# KiCad board PCB0160.kicad_pcb (continued)
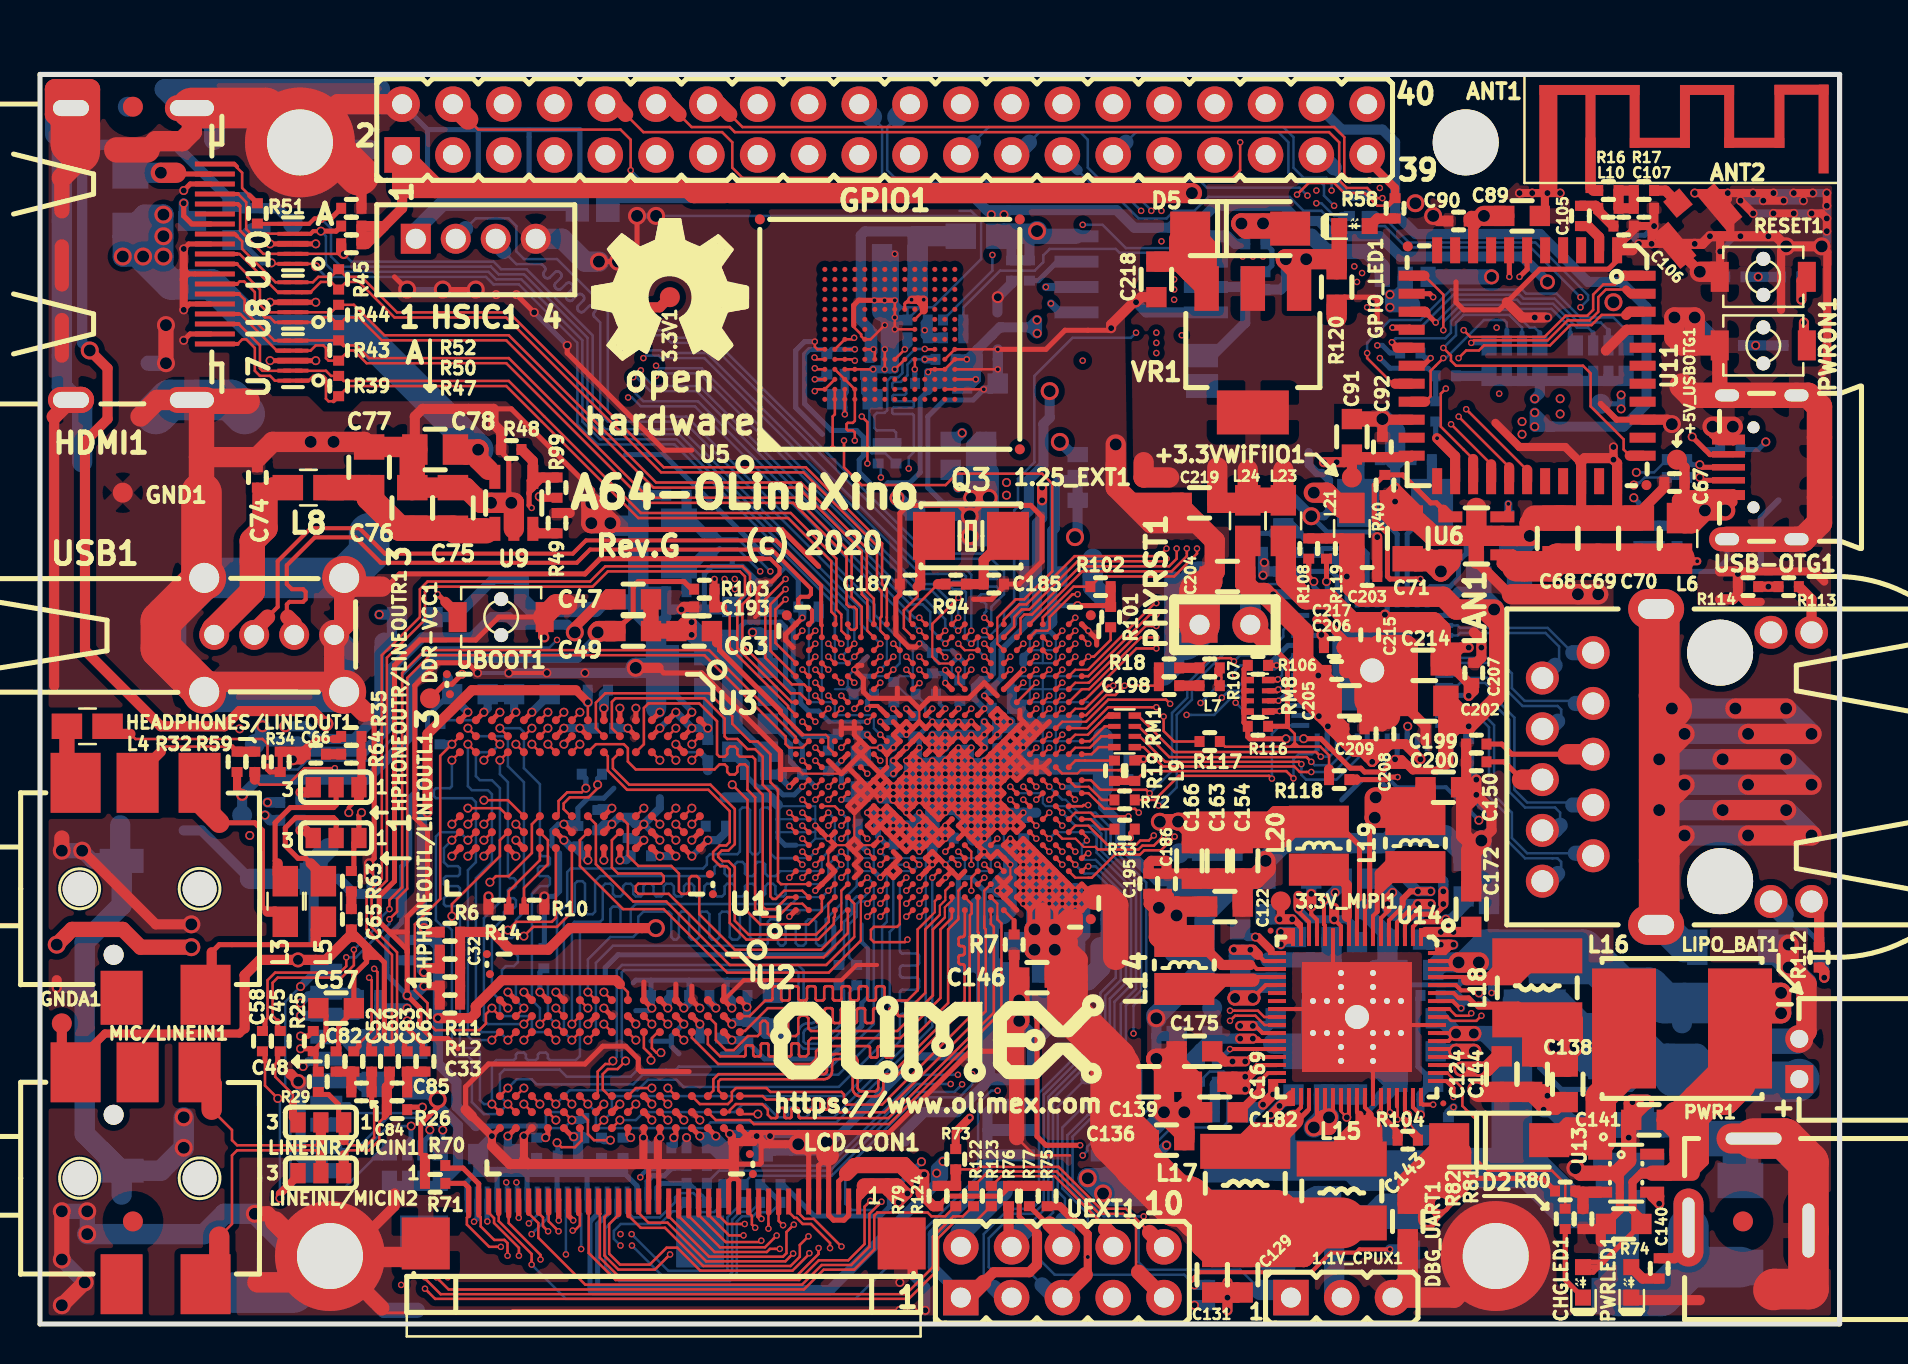
[diagram p0: board, top side]
## Routing (per net, layer and track width the routed paths; a pad name or vN(x,y) marks a point on that pad's centre or on a via; arc(x,y) is an arc through that point) (continued)
  Top w1.016: v2(6.05,57.58) 6.81,57.58
  Bottom w1.016: v2(6.05,57.58) 4.52,57.58 FUSE1.2
Net-(GPIO_LED1-Pad2): length 1.4
  Top w0.508: R58.2 66.88,55.3 GPIO_LED1.2
Net-(HDMI1-Pad19): length 3.6
  Top w0.127: 10.49,56.44 10.11,56.82 10.11,57.58 9.86,57.84 9.86,57.89
  Top w0.203: 9.86,57.89 9.72,58.02 8.55,58.02
  Top w0.254: 10.49,56.44 R51.2
Net-(HEADPHONES/LINEOUT1-Pad1): length 9.2
  Top w0.254: 8.58,18.59 8.97,18.97 13.67,18.97 13.79,19.1
  Top w0.508: 13.79,19.23 13.79,19.1 13.79,19.74 L5.2 ; 8.58,18.59 8.58,16.77 HEADPHONES/LINEOUT1.1 ; 8.28,16.21 8.28,16.46
Net-(HEADPHONES/LINEOUT1-Pad2): length 3.5
  Top w0.508: 1.78,26.81 1.78,26.29
  Top w0.762: L4.2 1.35,27.5 HEADPHONES/LINEOUT1.2
Net-(HEADPHONES/LINEOUT1-Pad3): length 9.9
  Top w0.254: 11.38,20.62 11.12,20.88 11.12,24.69 10.74,25.07 8.97,25.07
  Top w0.508: 11.38,20.62 11.76,20.62 L3.2 12.14,20.12 ; 7.98,26.81 7.98,26.06
  Top w1.016: 7.98,26.06 8.97,25.07
Net-(HEADPHONES/LINEOUT1-Pad4): length 7.6
  Top w0.127: 9.6,28.88 6.3,28.88 6.05,28.63
  Top w0.254: R32.1 9.6,28.88
  Top w0.508: 4.88,27.46 6.05,28.63 ; R32.1 R59.1
  Top w0.762: HEADPHONES/LINEOUT1.4 4.88,27.46
  Top w1.016: 4.88,26.81 4.88,27.46
Net-(HPHONEOUTL/LINEOUTL1-Pad2): length 7.7
  Top w0.203: L5.1 14.43,22.4
  Top w0.254: 13.54,23.04 13.28,23.29 12.9,23.29 12.27,23.93 12.27,24.82 12.78,25.32 14.68,25.32 14.81,25.2 HPHONEOUTL/LINEOUTL1.2
  Top w0.508: 13.54,23.04 14.17,22.4 L5.1
Net-(HPHONEOUTR/LINEOUTR1-Pad2): length 7.7
  Top w0.203: L3.1 12.27,22.4
  Top w0.254: 11.89,23.04 11.76,23.17 11.76,25.07 12.52,25.83 14.68,25.83 14.81,25.96 HPHONEOUTR/LINEOUTR1.2
  Top w0.508: 11.89,23.04 11.89,22.53 L3.1
Net-(HSIC1-Pad1): length 9.1
  Bottom w0.762: HSIC1.1 18.79,54.71 20.14,56.06 26.75,56.06 HSIC_E1.2
Net-(HSIC1-Pad2): length 37.5
  Top w0.127: v4(42.68,32.72) U1.H19
  Bottom w0.107: 43,34.22 43,34.11 43,33.05
  Bottom w0.127: 43,34.22 41.73,35.48 41.73,35.99 32.33,45.39 28.65,45.39 28.4,45.64 28.4,50.72 25.86,53.26 24.21,53.26 23.83,53.65 23.83,54.91 23.44,55.3 21.79,55.3 21.28,54.79 ; v4(42.68,32.72) 43,33.05
  Bottom w0.762: 21.28,54.79 20.79,54.3 HSIC1.2
Net-(HSIC1-Pad3): length 37.5
  Top w0.127: v4(42.03,32.72) U1.G19
  Bottom w0.107: 42.35,33.05 42.35,34.34
  Bottom w0.127: 23.19,53.65 23.83,53.01 25.09,53.01 25.22,52.88 25.25,52.85 25.26,52.82 25.27,52.78 25.27,52.74 25.26,52.7 25.25,52.67 25.2,52.6 25.18,52.57 25.17,52.53 25.17,52.49 25.18,52.45 25.2,52.42 25.22,52.39 25.26,52.35 25.29,52.33 25.32,52.31 25.36,52.3 25.4,52.3 25.44,52.31 25.47,52.33 25.5,52.35 25.75,52.6 25.78,52.62 25.82,52.64 25.86,52.65 25.9,52.65 25.93,52.64 25.97,52.62 26,52.6 26.04,52.56 26.06,52.53 26.08,52.5 26.09,52.46 26.09,52.42 26.08,52.38 26.06,52.35 26.04,52.32 25.79,52.07 25.76,52.04 25.75,52 25.74,51.97 25.74,51.93 25.75,51.89 25.76,51.85 25.79,51.82 25.82,51.79 25.85,51.76 25.89,51.75 25.93,51.74 25.97,51.74 26,51.75 26.04,51.76 26.07,51.79 26.32,52.03 26.35,52.06 26.38,52.08 26.42,52.08 26.46,52.08 26.5,52.08 26.53,52.06 26.57,52.03 26.6,52 26.63,51.97 26.64,51.93 26.65,51.89 26.65,51.86 26.64,51.82 26.63,51.78 26.6,51.75 26.35,51.5 26.33,51.47 26.31,51.44 26.3,51.4 26.3,51.36 26.31,51.32 26.33,51.29 26.35,51.26 26.39,51.22 26.42,51.2 26.45,51.18 26.49,51.17 26.53,51.17 26.57,51.18 26.61,51.2 26.64,51.22 26.88,51.47 26.91,51.49 26.95,51.51 26.99,51.52 27.03,51.52 27.07,51.51 27.1,51.49 27.13,51.47 27.17,51.43 27.19,51.4 27.21,51.37 27.22,51.33 27.22,51.29 27.21,51.25 27.19,51.22 27.17,51.19 26.92,50.94 26.89,50.91 26.88,50.87 26.87,50.83 26.87,50.8 26.88,50.76 26.89,50.72 26.92,50.69 26.95,50.66 26.99,50.63 27.02,50.61 27.06,50.61 27.1,50.61 27.14,50.61 27.17,50.63 27.2,50.66 27.45,50.9 27.48,50.93 27.52,50.94 27.55,50.95 27.59,50.95 27.63,50.94 27.67,50.93 27.7,50.9 27.73,50.87 27.76,50.84 27.77,50.8 27.78,50.76 27.78,50.72 27.77,50.69 27.76,50.65 27.71,50.59 27.69,50.55 27.68,50.52 27.68,50.48 27.69,50.44 27.71,50.4 27.73,50.37 28.02,50.09 28.02,45.52 28.4,45.14 32.21,45.14 41.48,35.86 41.48,35.21 42.35,34.34 ; v4(42.03,32.72) 42.35,33.05
  Bottom w0.762: 23.19,53.65 22.79,54.04 HSIC1.3
Net-(L14-Pad1): length 9.2
  Top w0.203: 60.66,17.2 60.81,17.35 U14.21
  Top w0.406: 59.38,17.2 59.32,17.2 58.31,16.18 57.8,16.18 L14.1
  Top w0.66: 60.66,17.2 57.48,17.2 57.42,17.13
  Top w0.762: L14.1 57.6,17.13 58.88,17.13
Net-(L15-Pad1): length 8.2
  Top w0.203: 66.5,10.47 66.5,10.59 66.26,10.83 U14.44 ; 65.99,10.47 65.86,10.59 U14.43
  Top w0.406: 66.5,10.47 66.5,9.83 66.37,9.7 65.99,10.08 65.99,10.47
  Top w0.762: 66.37,9.7 65.74,9.7 65.1,9.07 L15.1
  Top w1.524: 66.37,9.7 66.37,9.19 65.43,8.25 L15.1
Net-(L17-Pad1): length 8.7
  Top w0.203: 63.39,10.66 63.46,10.73 U14.37 ; 62.81,10.34 62.69,10.21 62.69,10.47 63.06,10.84 U14.36
  Top w0.254: 63.39,10.66 63.07,10.34 62.81,10.34
  Top w0.762: 62.18,9.7 60.78,9.7 60.27,9.19 L17.1
  Top w1.016: 62.69,10.21 61.11,8.64 L17.1
Net-(L18-Pad2): length 8.8
  Top w0.203: 71.32,17.2 71.16,17.35 U14.65
  Top w0.508: 71.32,17.2 72.59,17.2 72.72,17.32 ; 73.43,18.42 74.88,18.42 ; 72.34,17.2 73.56,18.42
  Top w0.762: 72.72,17.32 73.79,17.32 74.88,18.42
Net-(L19-Pad1): length 9.6
  Top w0.203: 66.88,20.62 66.66,20.41 U14.7
  Top w0.254: 66.88,20.62 66.88,21.39 ; 66.88,21.39 66.88,21.64 67.13,21.89 66.88,21.89 66.88,21.39 ; 66.88,21.39 66.88,21.49 67.79,22.4 68.02,22.4
  Top w0.508: 67,22.02 67,22.53 67.64,23.17 68.47,23.17 L19.1
  Top w0.762: 67.26,22.21 67.9,22.85 L19.1
Net-(L20-Pad1): length 4.6
  Top w0.203: 65.35,20.37 65.35,20.24 65.46,20.14 U14.10
  Top w0.508: 65.35,20.37 65.35,21.96 64.47,22.85 64.34,22.85
  Top w0.762: 64.52,22.73 L20.1
Net-(LINEINL/MICIN2-Pad2): length 13.8
  Top w0.127: 8.97,4.37 9.6,5 9.6,8.43 9.86,8.69 13.79,8.69 14.05,8.43
  Top w0.254: LINEINL/MICIN2.2 14.05,7.8
  Top w0.508: LINEINL/MICIN2.2 14.05,8.43
  Top w1.016: 8.97,4.37 8.97,2.67 MIC/LINEIN1.1 7.57,2.7
Net-(LINEINR/MICIN1-Pad2): length 10.2
  Top w0.127: 8.58,10.72 9.6,9.7 9.6,9.19 9.86,8.94 13.79,8.94 14.05,9.19
  Top w0.508: LINEINR/MICIN1.2 14.05,9.19
  Top w0.762: MIC/LINEIN1.3 7.98,12.02
  Top w1.016: 8.58,10.72 8.58,11.99 MIC/LINEIN1.3
Net-(MICRO_SD1-Pad5): length 58
  Top w0.254: R33.1 54.55,24.56 v4(54.55,24.3)
  In3.Cu w0.127: v3(13.16,12.88) 13.54,12.5 13.54,10.78 14.81,9.51 17.16,9.51 20.52,6.15 33.1,6.15 34.24,7.29 39.19,7.29 45.11,13.22 49.29,13.22 54.43,18.36 54.43,23.95 54.55,24.07 v4(54.55,24.3)
  Bottom w0.406: v3(13.16,12.88) 13.41,13.13 14.17,13.13 14.31,13.27
Net-(MIPI-DSI1-Pad16): length 17.2
  Bottom w0.127: 28.86,5.39 28.27,4.79 28.27,2.84 28.97,2.15 34.49,2.15 34.85,2.5 34.85,5.12 35.11,5.39 35.65,5.39 35.86,5.59 36.57,5.59 37.03,6.06 37.03,6.08
  Bottom w0.254: 37.03,6.08 36.14,6.97 R131.2 ; MIPI-DSI1.16 28.86,5.39
Net-(MIPI-DSI1-Pad17): length 8.1
  Bottom w0.127: 29.6,5.33 31.01,5.33 31.76,6.09 31.76,6.34 31.97,6.55 32.68,6.55 32.84,6.39 32.84,5.82 33.06,5.6 33.72,5.6 34.18,6.06 R125.1 34.18,6.15
  Bottom w0.203: 29.6,5.33 29.36,5.58 MIPI-DSI1.17
  Bottom w0.508: R127.1 R125.1
Net-(MIPI-DSI1-Pad19): length 3.3
  Bottom w0.254: R126.1 31.57,7.77 31.22,7.42 30.99,7.42 30.99,7.42 30.64,7.42 30.36,7.13 MIPI-DSI1.19
  Bottom w0.508: R126.1 R128.1
Net-(MIPI-DSI1-Pad20): length 4.4
  Bottom w0.127: 33.14,6.42 32.73,6.83 ; 33.14,6.42 33.35,6.21 R130.2 ; 33.14,6.42 33.16,6.4 33.16,6.15 33.17,6.15 ; 32.73,6.83 32.52,7.04 32.36,7.04 ; 32.73,6.83 32.54,6.83 R132.2
  Bottom w0.254: R132.2 31.06,7.04 30.86,6.83 MIPI-DSI1.20
Net-(PWRLED1-Pad2): length 1.6
  Top w0.508: R74.2 80.15,2.27 PWRLED1.2
Net-(PWRON1-Pad1): length 2.3
  Top w0.508: v3(88.21,50.09) 88.21,49.01 88.28,48.95
  Bottom w0.508: v3(88.21,50.09) R91.1
Net-(R3-Pad2): length 4.5
  Top w0.127: v4(41.38,21.03) U1.G2
  Bottom w0.127: R3.2 40.46,18.34 40.46,19.99 40.84,20.37 40.84,21.01 40.97,21.13 41.27,21.13 v4(41.38,21.03)
Net-(R4-Pad2): length 5
  Top w0.127: v4(41.38,21.67) U1.G3
  Bottom w0.127: R4.2 40.21,18.21 40.21,20.12 40.59,20.5 40.59,21.13 40.84,21.39 41.22,21.39 41.38,21.54 v4(41.38,21.67)
Net-(R7-Pad2): length 1.4
  Top w0.127: U1.U1 48.72,20.18
  Top w0.254: 48.72,20.18 R7.2
Net-(R9-Pad1): length 3
  Top w0.127: v3(28.52,9.19) 27.7,9.19 27.4,9.5 27.4,10.2 U2.L8
  Bottom w0.406: R9.1 28.21,9.19 v3(28.52,9.19)
Net-(R10-Pad1): length 4.5
  Top w0.127: 24.21,21.26 24.21,21.81 25.4,23 25.4,24.2 U3.L8
  Top w0.254: 24.21,21.26 R10.1
Net-(R13-Pad1): length 2.8
  Top w0.127: v3(25.86,9.07) 26.08,8.84 26.75,8.84 27.08,9.18 27.08,9.72 U2.L9
  Bottom w0.254: v3(25.86,9.07) 25.89,9.03 R13.1
Net-(R14-Pad1): length 3.7
  Top w0.127: 23.44,21.26 23.44,21.64 25,23.2 U3.L9
  Top w0.254: 23.44,21.26 R14.1
Net-(R15-Pad1): length 2
  Top w0.127: U5.H5 v4(43.25,48.75)
  In3.Cu w0.127: v4(43.25,48.75) 43.26,48.75
  Bottom w0.254: 43.51,49.26 43.51,49.01 v4(43.25,48.75) 43.26,48.76 43.26,49.2 43.38,49.33
Net-(R19-Pad1): length 2.4
  Top w0.127: U1.AB12 51.78,28.18 51.94,28.18 51.95,28.18 52.25,28.18 52.26,28.18 R19.1
Net-(R41-Pad2): length 1.4
  Top w0.254: v4(73.43,41.02) 73.43,40.67 U6.3
  Bottom w0.406: v4(73.43,41.02) 73.43,40.49 R41.2
Net-(R49-Pad2): length 1.3
  Top w0.508: R49.2 24.87,39.55 U9.3
Net-(R54-Pad1): length 1.7
  Top w0.254: v4(69.54,48.31) 69.16,47.93 U11.17
  Bottom w0.254: v4(69.54,48.31) 69.29,48.31 R54.1
Net-(R55-Pad1): length 7.4
  Bottom w0.508: R55.1 60.15,51.87 U12.3 ; R55.1 60.27,50.07 58.64,48.44 WP_Enable1.2 ; R55.1 R56.1
Net-(R57-Pad1): length 2.7
  Bottom w0.254: U12.7 50.88,53.14 49.92,52.18 R57.1
Net-(R60-Pad1): length 3.4
  Top w0.508: U11.24 70.77,43.4 v4(69.87,44.3)
  Bottom w0.254: v4(69.87,44.3) 69.8,44.37 R60.1
Net-(R72-Pad1): length 2.7
  Top w0.107: 51.78,26.87 52.45,26.87
  Top w0.127: R72.1 53.11,26.21 52.45,26.87 ; U1.AB11 51.78,26.87 51.78,26.87
Net-(R80-Pad2): length 2.1
  Top w0.508: 76.84,6.59 R80.2 ; 77.17,6.59 77.16,6.59
  Top w0.559: 76.84,6.59 77.16,6.59 R81.1 ; U13.3 77.17,6.59
Net-(R82-Pad1): length 11.6
  Top w0.127: 70.38,12.55 71.13,11.8 71.13,10.91 71.89,10.15 71.89,8.18 72.4,7.67 75.61,7.67 76.28,7 R82.1
  Top w0.203: U14.53 70.38,12.55
Net-(R83-Pad1): length 3.2
  Top w0.203: U14.30 59.52,13.75 v4(59.51,13.75)
  Bottom w0.254: R83.1 58.9,13.13 59.51,13.74 v4(59.51,13.75)
Net-(R86-Pad1): length 45.2
  Top w0.127: v4(59.51,15.67) 60.91,15.67 61.23,15.35 U14.26
  In2.Cu w0.127: v4(59.51,15.67) 61.04,15.67 61.29,15.93 61.29,17.58 63.45,19.74 64.85,19.74 65.29,20.18 65.29,26.21 67.08,28 67.08,29.97 67.89,30.78 67.89,36.12 68.4,36.63 68.4,37.77 69.93,39.29 72.34,39.29 75.26,42.22 79.32,42.22 79.71,42.6 v3(79.83,42.6)
  Bottom w0.127: R86.1 80.72,42.6 v3(79.83,42.6)
Net-(R87-Pad1): length 45.5
  Top w0.127: v4(59.51,15.16) 59.77,15.42 60.78,15.42 61.25,14.95 U14.27
  In2.Cu w0.127: v4(59.51,15.16) 59.77,15.42 61.16,15.42 61.54,15.8 61.54,17.45 63.58,19.48 64.97,19.48 65.54,20.05 65.54,26.09 67.34,27.88 67.34,29.85 68.15,30.66 68.15,35.99 68.66,36.5 68.66,37.64 70.05,39.04 72.47,39.04 75.39,41.96 v3(79.71,41.96)
  Bottom w0.127: 80,42.09 79.87,41.96 v3(79.71,41.96) 79.83,42.09 80,42.09 ; 80,42.09 80.26,42.34 R87.1
Net-(R89-Pad1): length 2.4
  Top w0.508: v3(88.09,51.23) 88.09,52.18 88.28,52.38
  Bottom w0.508: v3(88.09,51.23) R89.1
Net-(R94-Pad1): length 3
  Top w0.127: 44.91,37.01 43.51,35.61 43.51,35.14 U1.K23
  Top w0.508: 44.91,37.01 R94.1
Net-(R96-Pad1): length 14.5
  Top w0.127: U1.H14 v4(42.03,29.47)
  Bottom w0.107: 39.1,31.1 39.62,31.1 39.75,30.97 39.75,30.58 39.88,30.45 41.57,30.45 41.7,30.33 41.7,29.8 ; 39.1,31.1 38.57,31.1 38.45,31.22 38.45,32.88 38.45,32.88 38.45,34.87 38.94,35.36 38.94,35.26 39.1,35.1 39.1,31.1
  Bottom w0.127: v4(42.03,29.47) 41.7,29.8
  Bottom w0.508: 38.94,35.36 R96.1
Net-(R97-Pad1): length 1.1
  Top w0.127: v4(51.12,26.88) U1.AA11
  Bottom w0.254: R97.1 51.15,26.85 v4(51.12,26.88)
Net-(R98-Pad1): length 4.2
  Top w0.107: 51.11,27.54 51.89,27.54 52.05,27.7
  Top w0.127: v4(54.15,27.7) 52.05,27.7 ; U1.AA12 51.11,27.54
  Bottom w0.254: v4(54.15,27.7) 54.28,27.7 54.31,27.67 54.31,27.36 R98.1
Net-(R105-Pad2): length 3.9
  Top w0.254: R106.2 v4(61.85,32.94)
  Bottom w0.127: 61.86,33.39 61.85,33.37
  Bottom w0.254: 62.41,33.94 R106.2 v4(61.85,32.94) ; U15.33 62.43,33.94 ; v4(61.85,32.94) 61.85,33.37 ; v4(61.85,32.94) 61.85,32.93 61.73,32.82 61.35,32.82
Net-(R107-Pad1): length 7.3
  Top w0.127: 57.99,32.84 58.45,33.31 59.55,33.31 v4(59.71,33.14)
  Top w0.508: R18.2 R107.1
  Bottom w0.127: 62.4,34.94 62.18,34.72 62.18,34.38 61.24,33.44 60.01,33.44 v4(59.71,33.14)
  Bottom w0.254: 62.4,34.94 U15.35
Net-(R109-Pad2): length 4.1
  Bottom w0.254: U15.41 65.87,38.14 R110.2 65.23,38.79 64.15,38.79 63.96,38.6
Net-(R111-Pad2): length 36
  Top w0.508: 89.23,17.58 v3(89.23,17.32) 89.23,17.64 89.04,17.83 R112.2
  In3.Cu w0.203: v3(71.96,25.2) 71.43,24.67 71.43,20.78 74.88,17.32 84.15,17.32 86.56,19.74 88.59,19.74 89.23,19.1 v3(89.23,17.32)
  Bottom w0.203: U15.17 67.37,28.61 67.26,28.5 67.26,27.45 67.86,26.85 70.31,26.85 v3(71.96,25.2)
  Bottom w0.508: 88.98,18.08 89.23,17.83 v3(89.23,17.32)
Net-(R113-Pad2): length 33.1
  Top w0.508: R114.2 v3(86.44,36.88) R113.2
  In2.Cu w0.127: v3(86.44,36.88) 86.44,41.01 85.99,41.45 81.36,41.45 80.21,40.31 76.4,40.31 74.75,38.66 70.05,38.66 69.42,38.02 69.42,36.5 68.66,35.74 68.66,30.15 v3(68.4,29.9)
  Bottom w0.254: v3(68.4,29.9) 68.37,29.87 U15.15
Net-(R115-Pad1): length 4.2
  Bottom w0.254: U15.48 69.37,36.71 69.54,36.88 70.51,36.88 70.94,37.32 70.94,38.15 R115.1
Net-(R119-Pad1): length 2
  Top w0.254: v3(64.34,37.13) R119.1
  Bottom w0.254: v3(64.34,37.13) 64.37,37.1 U15.38
Net-(RM1-Pad1.2): length 1.8
  Top w0.127: U1.AC13 52.59,28.5 52.94,28.85 RM1.1.2
Net-(RM1-Pad2.2): length 2.6
  Top w0.107: 51.78,28.83 52.51,28.83
  Top w0.127: 52.51,28.83 53.08,29.39 RM1.2.2 ; U1.AB13 51.78,28.83
Net-(RM1-Pad3.2): length 1.9
  Top w0.127: U1.AC14 52.5,29.15 53.25,29.89 RM1.3.2
Net-(RM1-Pad4.2): length 3.3
  Top w0.107: 51.78,29.47 52.4,29.47
  Top w0.127: 53.67,30.53 53.46,30.53 53.27,30.34 ; RM1.4.2 53.64,30.34 53.27,30.34 ; 53.27,30.34 52.4,29.47 ; 51.78,29.47 U1.AB14
Net-(RM15-Pad1.1): length 2.9
  Top w0.254: v4(61.91,32.25) 61.87,32.21 RM8.1.2
  Bottom w0.127: U15.32 62.7,33.44 62.31,33.05 62.31,32.88 62.11,32.69 62.11,32.45 v4(61.91,32.25)
  Bottom w0.254: v4(61.91,32.25) 61.87,32.21 RM8.1.2
Net-(RM15-Pad2.1): length 2.9
  Top w0.254: RM8.2.2 61.86,31.67 v4(61.93,31.74)
  Bottom w0.127: U15.31 62.69,32.94 62.37,32.62 62.37,32.18 v4(61.93,31.74) ; 61.93,31.67 61.92,31.67
  Bottom w0.254: v4(61.93,31.74) 61.86,31.67 RM8.2.2
Net-(RM15-Pad3.1): length 2.3
  Top w0.254: v4(61.94,31.17) 61.42,31.17 RM8.3.2
  Bottom w0.127: 62.43,31.42 62.45,31.44
  Bottom w0.254: U15.28 62.26,31.44 61.99,31.17 v4(61.94,31.17) 61.42,31.17 RM8.3.2
Net-(RM15-Pad4.1): length 2.3
  Top w0.254: v4(61.99,30.66) 61.45,30.66 RM8.4.2
  Bottom w0.254: RM8.4.2 61.45,30.66 v4(61.99,30.66) 62.04,30.66 62.32,30.94 U15.27
Net-(T1-Pad3): length 10.9
  Top w0.203: v4(70.69,11.35) 70.69,11.8 70.33,12.15 U14.52
  In3.Cu w0.127: v4(70.69,11.35) 71.07,10.97 72.47,10.97 72.97,11.48 72.97,16.18 v4(72.59,16.56)
  Bottom w0.356: v4(72.59,16.56) 72.59,16.94 72.86,17.21 T1.3

## Copper pours and planes (outline as drawn; the poured copper is in the pictures)
1.1V_CPUX on Top: 51.13,18.47 49.61,18.21 49.61,9.32 49.73,9.19 51.89,9.19 51.89,7.92 54.69,5 56.34,5 57.48,3.86 57.48,2.84 63.83,2.84 63.83,5.89 62.94,6.78 58.88,6.78 55.7,8.18 55.07,9.83 55.07,23.8 54.94,23.8 54.94,24.56 52.65,24.56 52.65,22.28 51.13,22.28
1.1V_CPUX on In4.Cu: 48.84,14.78 52.02,14.78 52.02,22.02 51.38,22.02 49.1,24.31 47.45,24.31 47.45,23.8 48.84,22.4
1.1V_SYS on In4.Cu: 57.23,24.56 54.69,24.56 52.27,27.1 49.35,27.1 48.08,28.37 43.26,28.37 41.86,26.47 37.67,26.47 37.29,26.85 37.29,31.29 44.15,31.29 44.15,30.02 46.81,30.02 46.94,30.15 47.7,30.15 47.7,29.26 48.29,29.24 49.61,30.53 51.89,30.56 53.29,31.93 53.29,35.99 58.37,35.99 58.37,25.7
+1.5V on In4.Cu: 37.16,28.75 37.16,26.72 37.54,26.34 41.35,26.34 41.73,25.96 45.03,25.96 45.03,25.32 45.67,25.32 48.59,22.4 48.59,15.67 48.34,15.42 48.34,14.66 52.15,14.66 52.15,22.02 52.65,22.02 54.56,23.93 54.56,24.44 57.23,24.44 58.5,25.7 58.5,27.1 66.81,27.1 67.32,26.59 67.32,24.5 66.37,23.55 61.16,23.55 58.75,21.13 55.57,21.13 55.57,12.62 54.05,11.1 42.49,11.1 40.84,9.45 36.53,9.45 36.53,7.54 21.28,7.54 21.28,10.08 19.51,11.86 19.51,15.04 18.49,16.05 18.49,32.06 19.38,32.94 23.32,32.94 24.71,34.34 31.57,34.34
+3V3 on In4.Cu: 36.5,35.97 36.53,31.42 44.27,31.42 44.3,30.12 46.25,30.12 46.4,30.28 47.83,30.28 47.83,29.52 48.34,29.52 49.61,30.78 51.79,30.76 53.16,32.08 53.16,35.99 36.78,35.99
+3V3 on In4.Cu: 95.58,-4.14 -6.02,-4.14 -6.02,66.98 95.58,66.98
GND on Top: 52.91,19.74 37.16,19.74 37.29,34.09 35,34.09 35.13,38.15 37.92,38.15 37.92,35.48 52.91,35.48
GND on Top: 74.85,56.95 89.8,56.95 89.8,52.88 74.85,52.88
GND on Top: 105.99,-14.3 -15.93,-14.3 -15.93,77.14 105.99,77.14
GND on Bottom: 53.57,19.82 37.06,19.82 37.16,36.5 53.67,36.5
GND on Bottom: 93.04,-1.6 -3.48,-1.6 -3.48,64.44 93.04,64.44
GND on In1.Cu: 103.2,-11.76 -13.64,-11.76 -13.64,74.6 103.2,74.6
GND on In2.Cu: -11.1,72.06 -11.1,-9.22 100.66,-9.22 100.66,72.06
GND on In3.Cu: 98.12,-6.68 -8.56,-6.68 -8.56,69.52 98.12,69.52
GND on In4.Cu: 43.26,28.25 48.08,28.25 48.72,27.48 48.72,27.1 48.97,26.85 52.27,26.85 54.43,24.69 54.43,23.93 52.65,22.15 51.51,22.15 49.22,24.44 46.69,24.44 45.67,25.45 45.16,25.45 45.16,26.09 41.73,26.09
/USB&HDMI,WiFi&BT,Ethernet,LCD/1.25_EXT on Top: 67.51,57.27 57.35,57.2 57.35,50.6 54.56,50.6 54.69,41.96 56.46,40.18 64.72,40.18 64.72,46.02 67.51,46.02
IPS on In4.Cu: 60.02,19.1 59.26,18.34 59.26,12.12 62.18,9.19 69.29,9.19 71.07,10.97 71.07,11.99 72.21,13.13 72.21,17.2 72.47,17.45 72.47,18.34 71.96,18.85 70.31,18.85 70.05,19.1 70.05,21.89 67.51,21.89 67.13,21.51 62.94,21.51 62.69,21.01 60.78,19.1
Net-(C196-Pad2) on Top: 80.97,35.61 89.61,35.61 89.61,20.12 80.97,20.12
Net-(C196-Pad2) on Bottom: 80.97,35.61 89.61,35.61 89.61,20.12 80.97,20.12
Net-(C196-Pad2) on In1.Cu: 80.97,35.61 89.61,35.61 89.61,20.12 80.97,20.12
Net-(C196-Pad2) on In2.Cu: 80.97,35.61 89.61,35.61 89.61,20.12 80.97,20.12
Net-(C196-Pad2) on In3.Cu: 80.97,35.61 89.61,35.61 89.61,20.12 80.97,20.12
Net-(C196-Pad2) on In4.Cu: 80.97,35.61 89.61,35.61 89.61,20.12 80.97,20.12

## Text on the board
B.Silkscreen: GND | 20 | 5V_ONLY | Tx | Rx | 1 | 3 | - | + | 2 | A64-OLinuXino
Top: 6 Layers PCB!!! / Total approved errors: 36
F.Silkscreen: 3 | 1 | https://www.olimex.com | + | - | A | 2 | 4 | Rev.G | (c) 2020 | 10 | 40 | 39 | A64-OLinuXino
